# Altium PCB 58.13.0093_400_Rev00.PcbDoc (part 3 of 3)
Units mm, origin at the board's own origin, x right, y up, seen from the top; angles counter-clockwise.
Board outline 40 x 62.5 mm, 4 copper layers (Top Layer, Mid-Layer 1, Mid-Layer 2, Bottom Layer), stack 1.701 mm thick; 173 components, 104 nets, 583 pads, 329 vias.
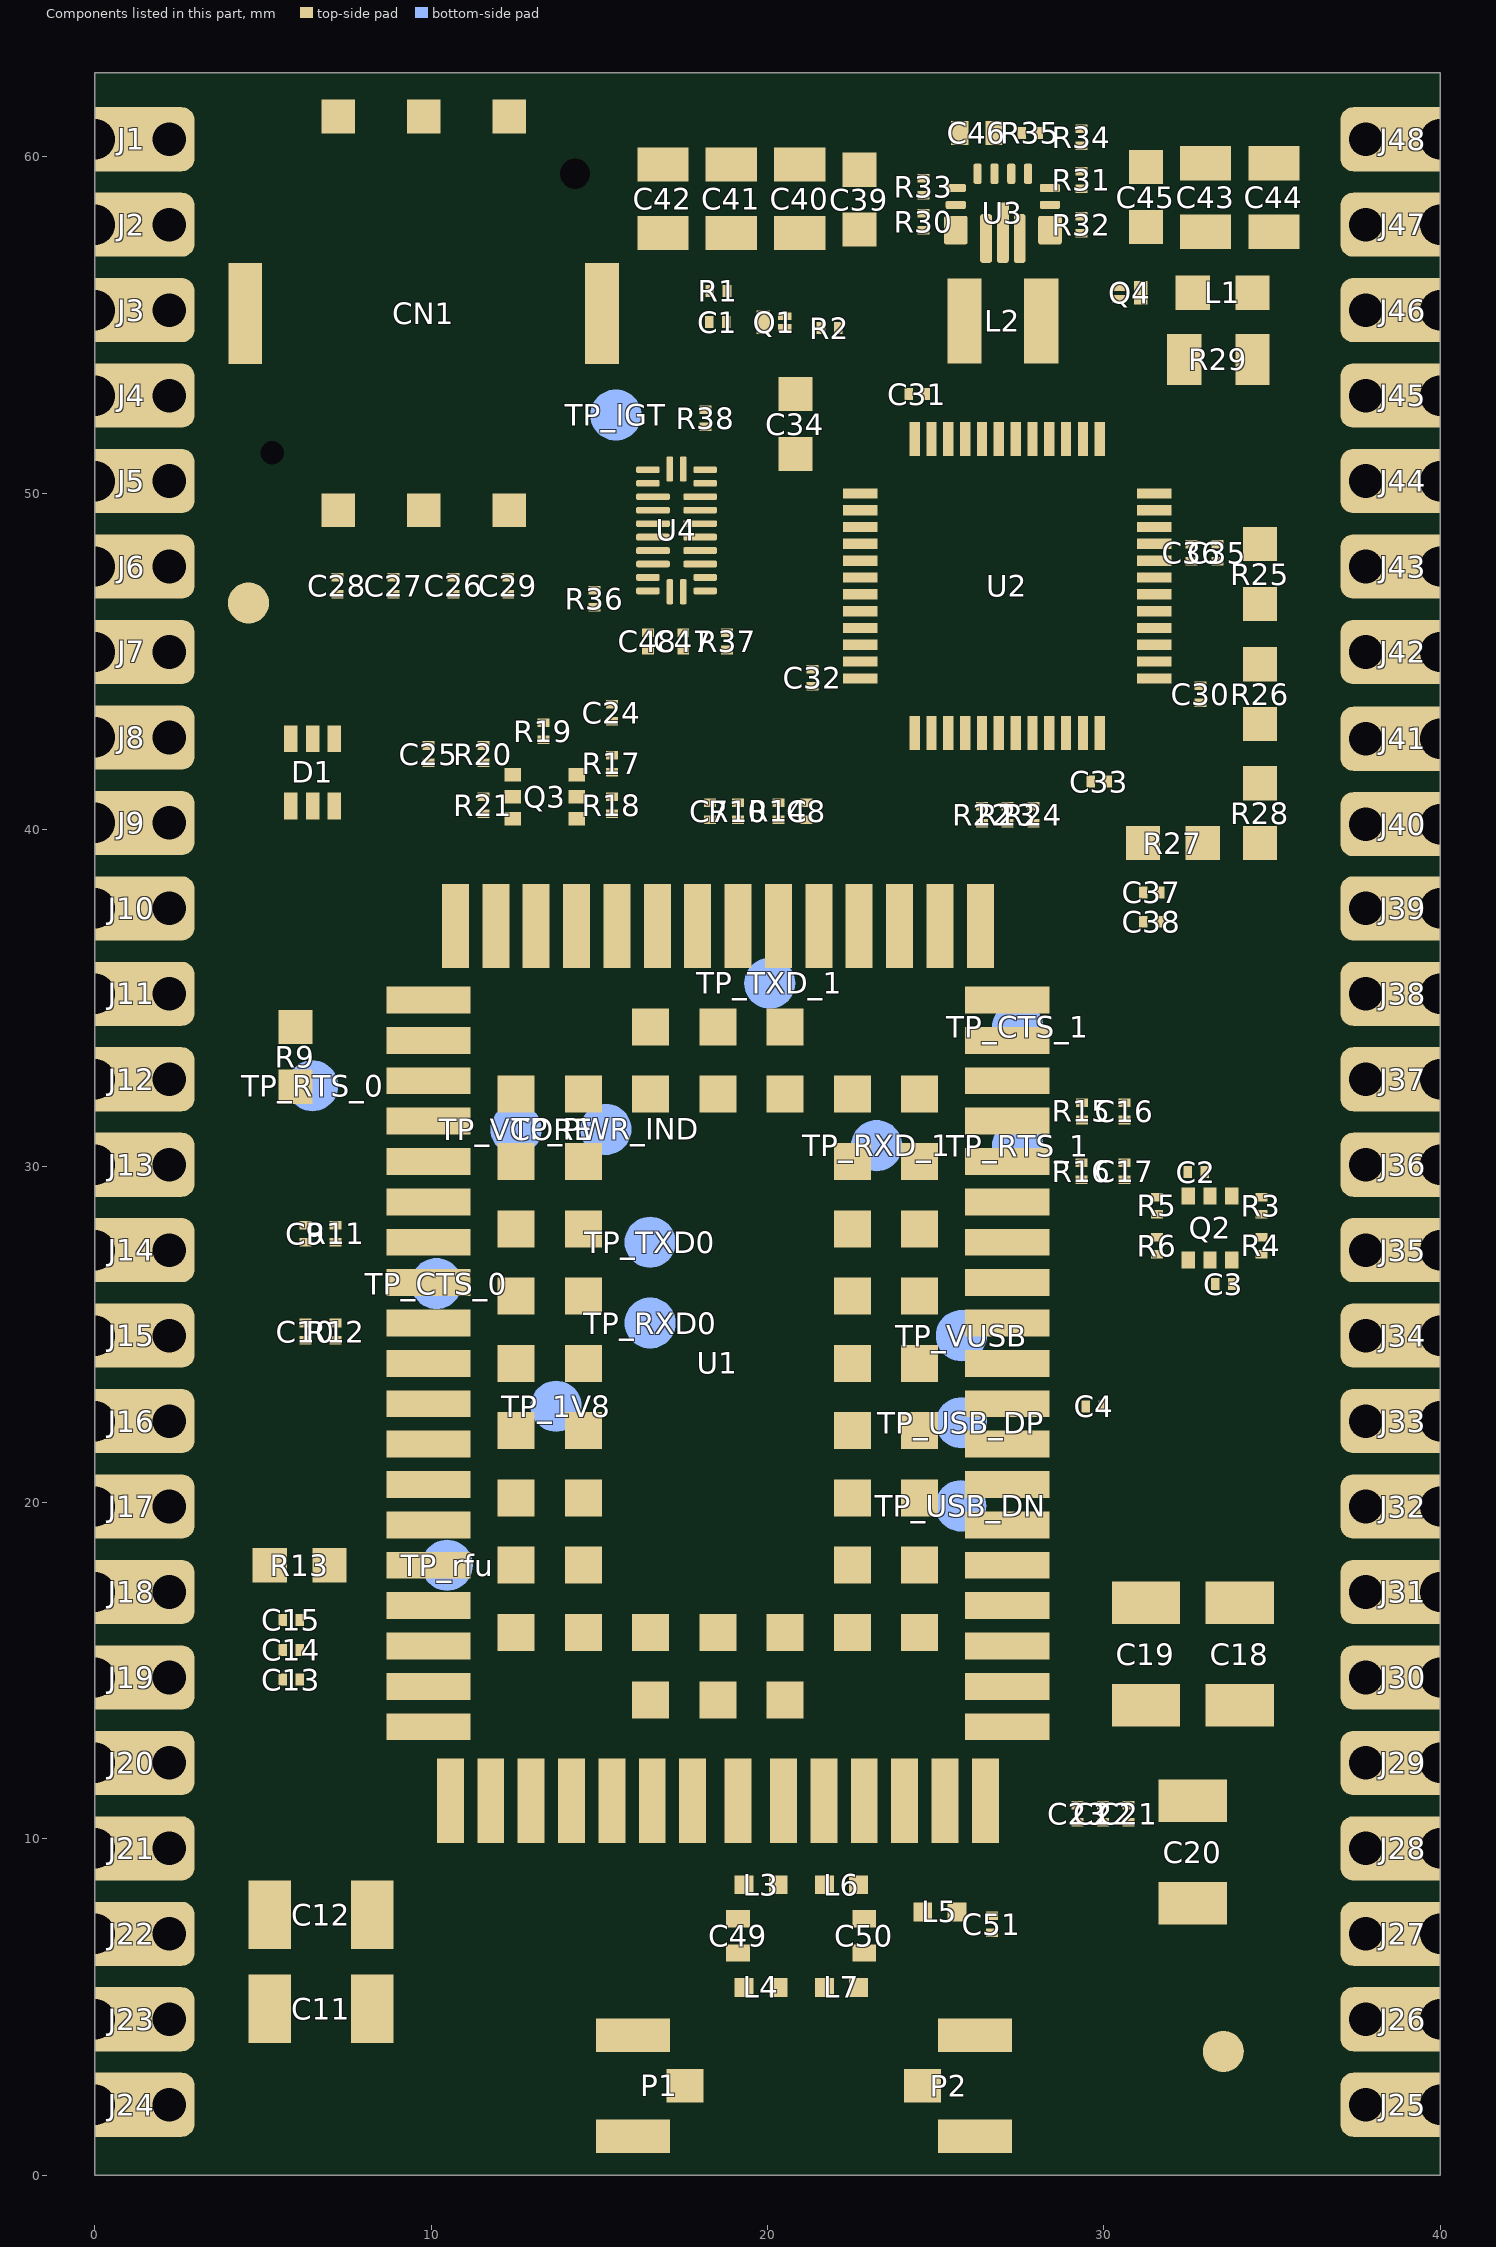
[diagram p5: the components of this part, seen from the top]

## Silkscreen, mask and mechanical layers (free items; w line width, h text height) (continued)
Drill Drawing:
  drawing of 202 lines, arcs and shapes, not listed
  text "ESPECIFICACAO DE FABRICACAO / MANUFACTURING SPECIFICATION" at 187.018,137.985 h1.78
  text "Material: 84200230 HP" at 194.424,132.343 h1.78
  text "Acabamento: ENIG" at 140.423,132.293 h1.78
  text "Material: 84200230 HP" at 194.424,127.898 h1.78
  text "Finish: ENIG" at 140.423,127.848 h1.78
  text "Linhas de impedancia controlada (x) sim    (  ) nao" at 194.414,122.208 h1.78
  text "Espessura entre camadas: 0,508mm" at 264.264,122.208 h1.78
  text "Metalizacao: (X) sim   (  ) nao" at 140.412,122.133 h1.78
  text "Controlled impedance lines (x) yes    (  ) no" at 194.414,117.763 h1.78
  text "Thickness between layers: 0,508mm" at 264.264,117.763 h1.78
  text "Plated-Through holes: (X) yes  (  ) no" at 140.412,117.688 h1.78
  text "Teste eletrico (X) sim (  ) nao" at 194.414,112.048 h1.78
  text "Cu:  min. 20um" at 140.412,111.973 h1.78
  text "Dimensoes minimas: Trilha 5mils Pad 18mils Isolacao 5mils" at 236.98,111.87 h1.78
  text "Electric Test  (X) yes (  ) no" at 194.414,107.603 h1.78
  text "Cu:  Min. thickness 20um" at 140.412,107.528 h1.78
  text "Minimum dimensions: Track 5mils Pad 18mils Gap 5mils" at 236.98,107.425 h1.78
  text "Cupom de teste (  ) sim   (X) nao" at 194.414,101.888 h1.78
  text "Classificacao da PCI: Classe 2 IPC-6012C" at 247.734,101.854 h1.78
  text "Contatos de borda: (  ) sim  (X) nao" at 140.423,101.813 h1.78
  text "Test coupon  (  ) yes   (X) no" at 194.414,97.443 h1.78
  text "PCB classification: Classe 2 IPC-6012C" at 247.734,97.409 h1.78
  text "Edge contacts: (  ) yes  (X) no" at 140.423,97.368 h1.78
  text "Mascara anti-solda Verde nos dois lados (X) sim  (  ) nao" at 194.414,91.728 h1.78
  text "Ni: min. 6um     Au: min. 0,8um" at 140.423,91.653 h1.78
  text "Green soldermask on both side (X) yes  (  ) no" at 194.414,87.283 h1.78
  text "Ni: min. 6um     Au: min. 0,8um" at 140.423,87.208 h1.78
  text "Etiqueta de identificacao - 34.15.1362" at 39.308,85.451 h2.03
  text "Identification tag - 34.15.1362" at 39.181,82.403 h2.03
  text "Mascara seletiva Branca (X) sim   (  ) nao" at 194.414,81.568 h1.78
  text "Tolerancia dos furos:  +/- 0,10mm" at 140.412,81.493 h1.78
  text "White markings (X) yes   (  ) no" at 194.414,77.123 h1.78
  text "Hole tolerance:   +/- 0,10mm" at 140.412,77.048 h1.78
  text "Empenamento maximo: 0,7%" at 267.691,72.706 h1.73
  text "Dimensoes em mm" at 194.414,71.408 h1.78
  text "Tolerancia geral: +/- 0,2mm" at 224.259,71.408 h1.78
  text "Maximum bending: 0,7%" at 267.691,69.531 h1.73
  text "Dimensions in mm" at 194.414,66.963 h1.78
  text "General tolerance: +/- 0,2mm" at 224.259,66.963 h1.78
  text "Is requested by 16262721 specification" at 267.691,66.483 h1.73
  text "Esp. do Cobre/Cu thickness" at 149.075,62.862 h1.22
  text "Camada" at 139.006,62.325 h1.52
  text "Referencia material" at 178.251,62.314 h1.52
  text "Esp. da isolacao" at 204.079,62.325 h1.52
  text "Empilhamento" at 222.64,62.325 h1.52
  text "Furacao" at 238.271,62.325 h1.52
  text "Esp. da placa" at 247.391,62.325 h1.52
  text "Impedancia" at 262.726,62.325 h1.52
  text "Informacoes adicionais" at 282.305,62.325 h1.52
  text "Impedance" at 263.017,59.573 h1.52
  text "Layer" at 140.022,59.539 h1.52
  text "Material reference" at 178.903,59.539 h1.52
  text "Insula. thickness" at 204.43,59.539 h1.52
  text "Stacking" at 225.412,59.539 h1.52
  text "Drilling" at 239.013,59.539 h1.52
  text "Thickness" at 248.991,59.539 h1.52
  text "Additional information" at 281.705,59.539 h1.52
  text "Base" at 152.606,59.154 h1.52
  text "Min." at 165.484,59.052 h1.52
  text "sim/yes" at 263.657,53.144 h1.52
  text "Lines 50 Ohms (0,914mm)" at 275.818,53.065 h1.22
  text "17,5um" at 150.949,52.994 h1.52
  text "01/04" at 140.589,52.944 h1.52
  text "33,4um" at 163.445,52.817 h1.52
  text "Diff. Pairs 90 0hms (0,615mm x 0,406mm)" at 275.793,50.216 h1.27
  text "EPOXY HIGH PERFORMANCE" at 174.882,49.908 h1.4
  text "0,508mm" at 207.591,49.789 h1.52
  text "02/04" at 140.589,46.898 h1.52
  text "17,5um" at 150.949,46.898 h1.52
  text "12,0um" at 163.445,46.721 h1.52
  text "EPOXY HIGH PERFORMANCE" at 174.91,43.761 h1.4
  text "0,584mm" at 207.591,43.693 h1.52
  text "1" at 240.471,43.264 h1.78
  text "03/04" at 140.563,40.853 h1.52
  text "17,5um" at 150.949,40.802 h1.52
  text "12,0um" at 163.445,40.625 h1.52
  text "0,508mm" at 207.591,37.597 h1.52
  text "EPOXY HIGH PERFORMANCE" at 174.91,37.462 h1.4
  text "1,7 +/-10%" at 253.517,36.865 h1.78 r90
  text "04/04" at 140.512,34.732 h1.52
  text "17,5um" at 150.949,34.706 h1.52
  text "33,4um" at 163.445,34.529 h1.52
  text "Exigencias gerais / General requirements:" at 139.474,24.318 h1.78
  text "Exigencias especificas / Specific requirements: PCB to be controlled according 16262721 Specification" at 139.511,19.393 h1.78
  text "Preencher com o codigo do fornecedor" at 151.089,10.285 h2.03
  text "XXX" at 143.537,8.873 h1.8
  text "Fill in the supplier code" at 151.089,6.983 h2.03
  text "Data de fabricacao / Date code" at 151.343,2.081 h2.03
  text "XXXXXX" at 140.339,1.47 h1.52
  text "(    )" at 138.387,-0.102 h2.8
  text "X / X" at 141.112,-0.952 h1.52
  text "Painel e pos. no painel / Panel and position on the panel" at 151.343,-1.018 h2.03
  text "EMISSAO INICIAL / FIRST ISSUE" at 142.352,-100.039 h1.3
  text "00" at 179.102,-100.039 h1.3
  text "D. Aguiar" at 213.152,-100.039 h1.3
  text "E. Rodrigues" at 239.152,-100.039 h1.3
  text "E. Rodrigues" at 265.152,-100.039 h1.3
  text "L. Degenhardt" at 291.152,-100.039 h1.3
  text "HISTORICO DA REVISAO / REVISION HISTORY" at 139.012,-105.139 h1.12
  text "REV." at 178.402,-105.139 h1.3
  text "DATA / DATE" at 193.152,-105.139 h1.3
  text "ELABORADO / ELABORATED" at 212.752,-105.139 h1.3
  text "VERIFICADO / CHECKED" at 240.652,-105.139 h1.3
  text "APROVADO / APPROVED" at 266.152,-105.139 h1.3
  text "QUALIDADE / QUALITY" at 293.252,-105.139 h1.3
  text "Symbol" at 38.009,-105.969 h1.83
  text "Hit Count" at 49.632,-105.969 h1.83
  text "Finished Hole Size" at 64.441,-105.969 h1.83
  text "Plated" at 90.038,-105.969 h1.83
  text "Hole Type" at 100.119,-105.969 h1.83
  text "1" at 49.632,-109.779 h1.52
  text "27,56mil (0,700mm)" at 64.441,-109.779 h1.52
  text "NPTH" at 90.038,-109.779 h1.52
  text "Round" at 100.119,-109.779 h1.52
  text "1" at 49.632,-113.589 h1.52
  text "35,43mil (0,900mm)" at 64.441,-113.589 h1.52
  text "NPTH" at 90.038,-113.589 h1.52
  text "Round" at 100.119,-113.589 h1.52
  text "2" at 49.632,-117.399 h1.52
  text "20,00mil (0,508mm)" at 64.441,-117.399 h1.52
  text "PTH" at 90.038,-117.399 h1.52
  text "Round" at 100.119,-117.399 h1.52
  text "5" at 49.632,-121.209 h1.52
  text "12,00mil (0,305mm)" at 64.441,-121.209 h1.52
  text "PTH" at 90.038,-121.209 h1.52
  text "Round" at 100.119,-121.209 h1.52
  text "48" at 49.632,-125.019 h1.52
  text "39,37mil (1,000mm)" at 64.441,-125.019 h1.52
  text "PTH" at 90.038,-125.019 h1.52
  text "Round" at 100.119,-125.019 h1.52
  text "48" at 49.632,-128.829 h1.52
  text "47,24mil (1,200mm)" at 64.441,-128.829 h1.52
  text "PTH" at 90.038,-128.829 h1.52
  text "Round" at 100.119,-128.829 h1.52
  text "322" at 49.632,-132.639 h1.52
  text "8,00mil (0,203mm)" at 64.441,-132.639 h1.52
  text "PTH" at 90.038,-132.639 h1.52
  text "Round" at 100.119,-132.639 h1.52
  text "427 Total" at 49.632,-136.449 h1.52
  text "003" at 194.839,-138.241 h2.6
  text "00" at 210.587,-138.241 h2.6
  text "58.13.0093_003_Rev00" at 222.017,-138.241 h2.6
  text "1:1" at 276.754,-138.241 h2.6
  text "A3" at 291.359,-138.241 h2.6
  text "01/01" at 302.865,-138.241 h2.6

## Dimensions
0,62.5 to 40,62.5 on Drill Drawing
0,62.5 to 0,0 on Drill Drawing

## Text inside footprints (layer, text, board x,y; h text height)
C12: Top Overlay, Top Silk "+" at 4.851,9.55 h1.02
C18: Top Overlay, Top Silk "+" at 34.188,12.827 h1.02 r270
C19: Top Overlay, Top Silk "+" at 29.345,13.208 h1.02 r270
C20: Top Overlay, Top Silk "+" at 35.052,10.668 h1.02 r90